# KiCad board Tartarus Liquid Rocketry Control System.kicad_pcb (continued)
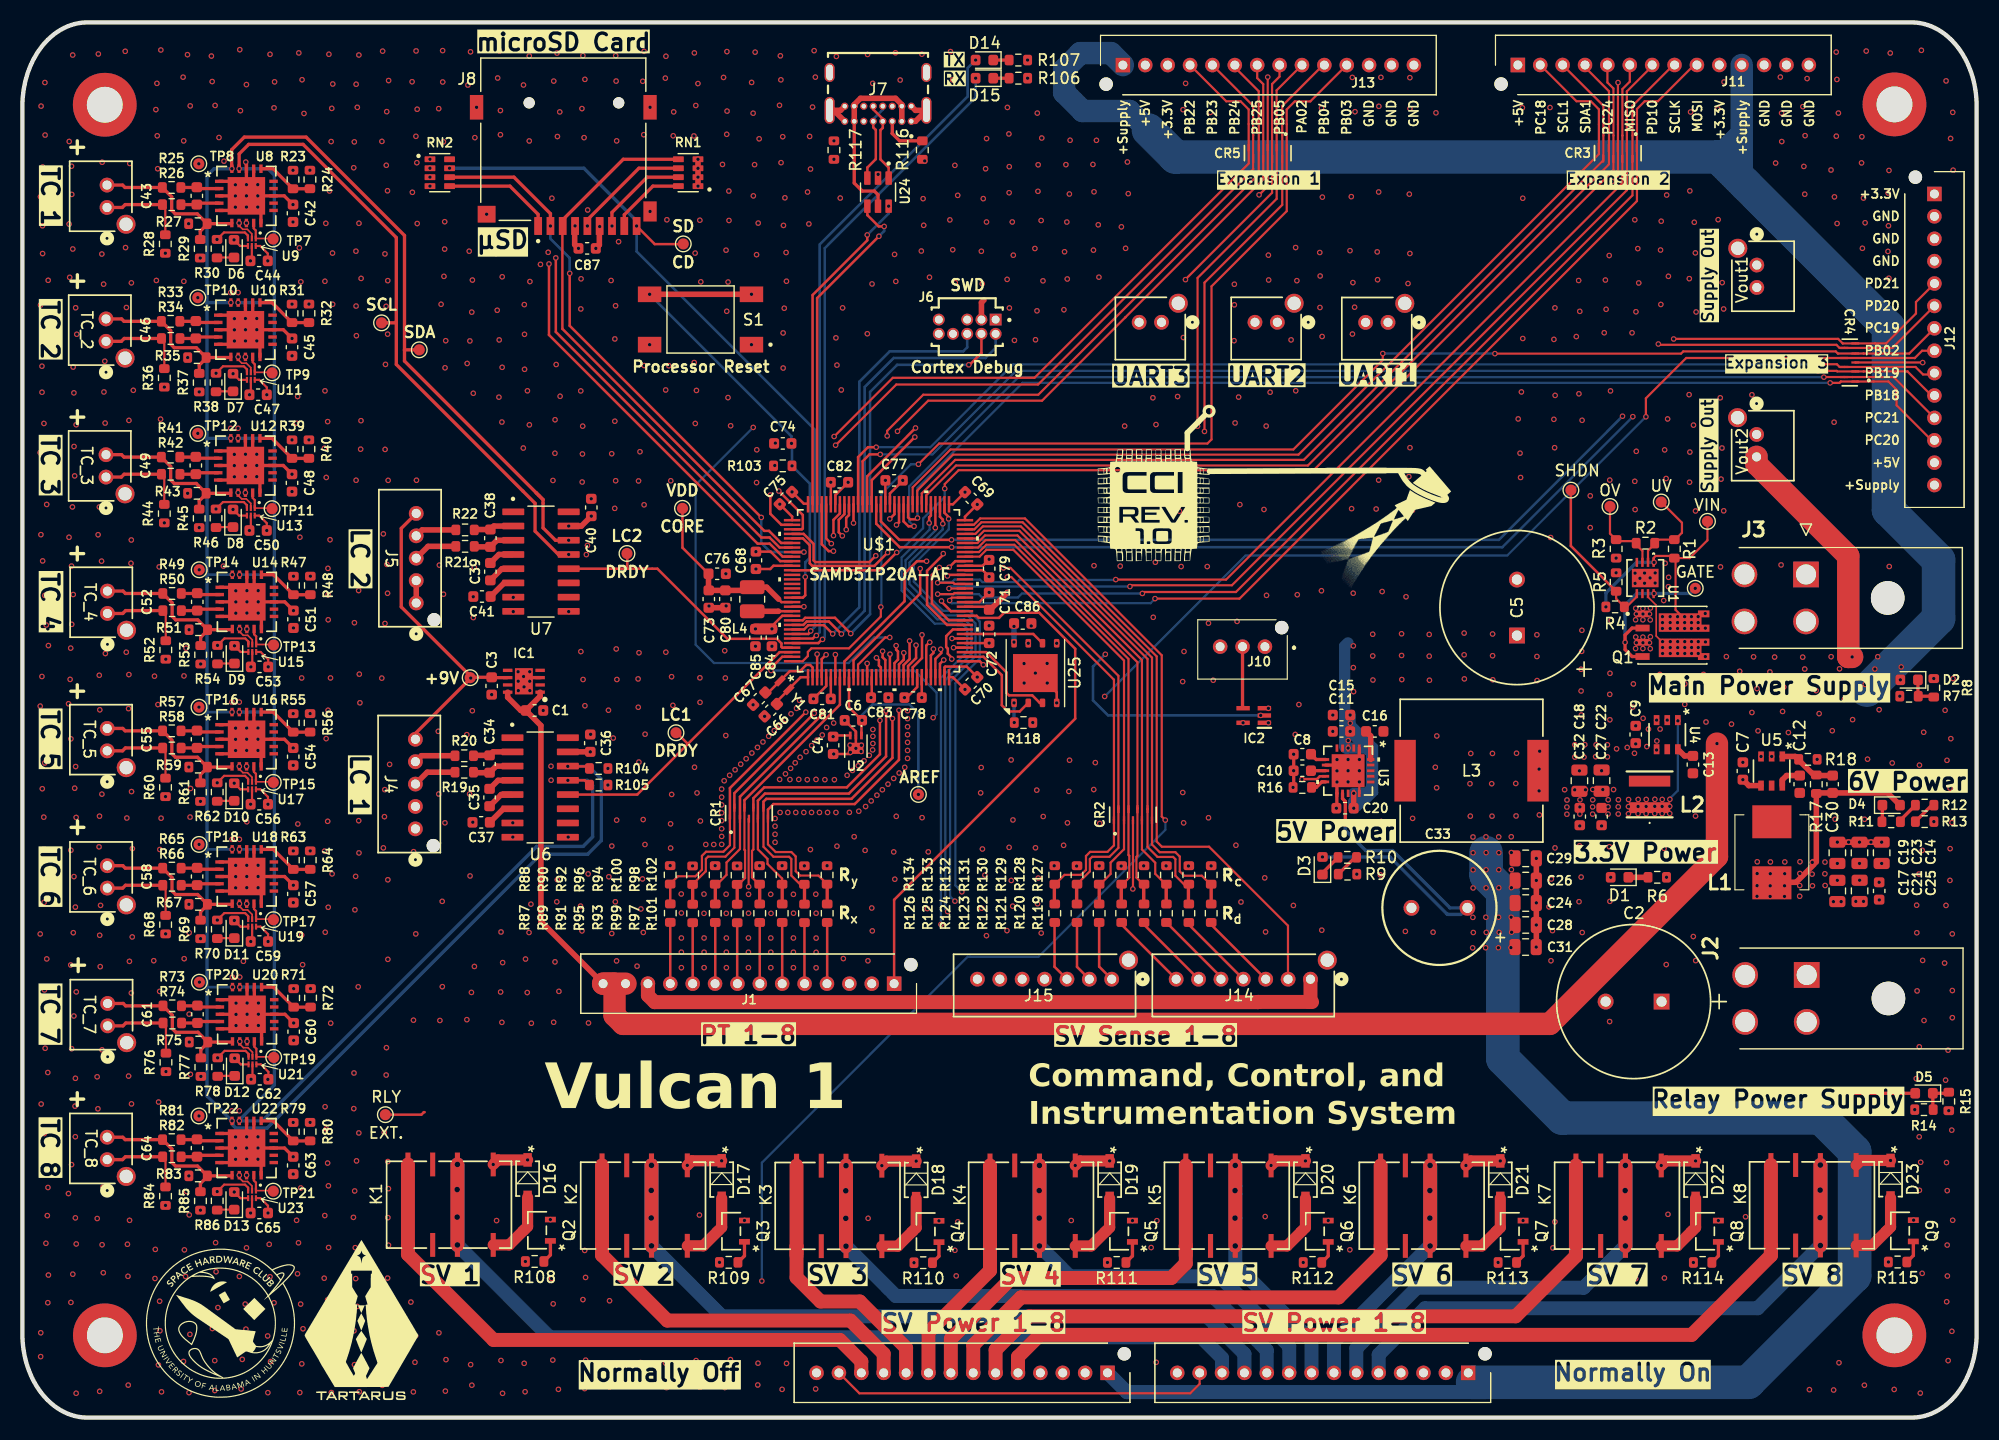
[diagram p0: board, top side]
## Routing (per net, layer and track width the routed paths; a pad name or vN(x,y) marks a point on that pad's centre or on a via; arc(x,y) is an arc through that point) (continued)
v1(159.17,111.75) v1(159.28,114.49) v1(159.25,109.27) v1(159.46,119.59) v1(159.67,2.5) v1(160.36,58.79) v1(161.6,111.43) v1(161.82,46.08) v1(161.91,109.03) v1(161.88,88.9) v1(161.83,2.46) v1(161.96,53.44) v1(162.06,121.96) v1(162.13,119.51) v1(162.08,114.45) v1(162.14,106.65) v1(162.26,116.51) v1(162.31,4.9) v1(162.51,46.08) v1(163.82,46.1) v1(164.15,51.39) v1(164.33,112.06) v1(164.36,114.4) v1(164.4,104.44) v1(164.5,108.92) v1(164.51,46.1) v1(164.59,53.44) v1(164.58,2.89) v1(164.65,106.72) v1(164.75,122.05) v1(164.86,58.81) v1(165.92,46.23) v1(166.7,109.37) v1(166.69,104.16) v1(166.78,111.39) v1(166.74,106.45) v1(166.77,101.76) v1(166.81,76.02) v1(166.89,121.87) v1(167.07,58.47) v1(167.24,2.51) v1(167.75,64.43) v1(169.08,27.51) v1(169.21,30.28) v1(169.25,45.76) v1(169.27,43.3) v1(169.29,38.11) v1(169.5,58.27) v1(169.46,48.55) v1(169.49,33.12) v1(169.48,25.08) v1(169.5,20.3) v1(169.61,22.81) v1(169.58,2.19) v1(169.68,122.11) v1(169.75,50.66) v1(169.79,40.83) v1(169.75,12.88) v1(169.88,61.21) v1(169.91,35.47) v1(170.78,66.01) v1(170.79,53.23) v1(171.79,63.17) v1(171.75,40.6) v1(171.88,119.38) v1(171.87,45.74) v1(171.84,30.14) v1(171.92,22.78) v1(171.96,58.7) v1(171.98,20.27) v1(171.98,15.41) v1(172,12.65) v1(171.93,10.35) v1(172.06,32.82) v1(172.12,27.41) v1(172.07,5.09) v1(172.23,47.98) v1(172.28,114.24) v1(172.3,60.64) v1(172.24,56.21) v1(172.24,50.82) v1(172.41,53.14) v1(172.39,25.67) v1(172.4,7.71) v1(172.48,116.57) v1(172.51,111.41) v1(172.51,66) v1(172.44,43.2) v1(172.44,38.14) v1(172.44,35.72) v1(172.47,17.63)
+Relay_External: length 9.3
  Top w0.23: 35.94,27.28 35.87,27.28 35.65,27.06 TP3.1
  Top w0.3: D5.2 163.44,28.97 163.43,28.96
+Supply: length 419.9
  Top w0.15: U1.7 145.25,73.29 145.98,72.56 145.98,69.81 147.18,68.61 Q1.5_6
  Top w0.5: C1.1 44.54,63.16 43.36,64.33 IC1.8 ; C1.1 46.26,64.43 IC1.1 ; C1.1 46.33,61.81 46.33,44.32 J1.14 ; v1(118.95,55.76) 118.95,54.43 v1(118.96,54.43)
  Top w2: J1.13 J1.14 52.86,38.76 52.91,38.71 52.91,35.93 53.67,35.17 136.48,35.17 151.41,50.1 v1(151.41,60.2) ; Vout2.2 154.95,85.14 163.14,76.95 163.14,67.94 v1(163.49,67.94)
  In3.Cu w1.5: J12.14 170.84,81.11
  In3.Cu w2: Vout2.2 156.41,85.81 157.8,87.19 ; Vout1.2 156.47,99.44 ; 170.84,81.11 170.84,72.95 164.65,66.76 v1(164.65,65.48)
  In3.Cu w3: 157.8,87.19 157.81,87.21 157.81,98.1 156.47,99.44
  Bottom w0.5: v1(118.96,54.43) 119.37,54.43 120.11,55.17 ; 120.11,55.17 120.11,55.76 ; 120.11,55.17 120.25,55.17 120.89,55.81 ; 120.89,55.81 120.89,59.94 118.64,62.19 v1(118.64,62.75) ; 120.89,55.81 120.56,56.14 120.56,56.21
  Bottom w1: v1(118.64,62.75) v1(118.64,61.29) 120.56,59.36 ; 119.72,55.76 v1(118.95,55.76) ; 119.72,55.76 118.96,55 v1(118.96,54.43) ; 119.72,55.76 120.11,55.76 120.56,56.21 120.56,59.36 ; 120.56,59.36 120.12,59.8 v1(118.45,59.8) 118.27,59.8 118.15,59.92 118.15,68.91 118.44,69.2
  Bottom w2: 100.62,114.99 98.91,116.7 94.73,116.7 93.08,118.35 93.08,120.42 94.53,121.87 97.26,121.87 J13.1 ; 153.62,114.68 151.53,112.59 ; 153.62,114.68 J11.11 ; 153.62,114.68 153.62,110.5 153.99,110.13 ; 154.92,85.17 154.92,85.78 Vout2.2 154.95,85.16 163.14,76.97 163.14,67.95 163.49,67.95
  Bottom w3: 164.75,65 164.83,65 171.21,71.38 171.21,76.59 166.74,81.06 166.74,97.38 151.53,112.59 103.02,112.59 100.62,114.99
  vias: v1(118.46,60.47) v1(118.64,62.02) v1(118.92,68.93) v1(118.92,66.99) v1(118.94,64.84) v1(120.65,69.97) v1(120.65,68.03) v1(120.67,65.88) v1(123.23,70.01) v1(123.23,68.07) v1(123.25,65.92) v1(125.7,69.95) v1(125.7,68.01) v1(125.72,65.86) v1(128.82,70.07) v1(128.82,68.13) v1(128.84,65.98) v1(131.36,69.99) v1(131.36,68.05) v1(131.38,65.9) v1(135.32,69.92) v1(135.32,67.98) v1(135.34,65.83) v1(139.32,68.44) v1(139.27,66.84) v1(139.27,64.9) v1(139.29,62.75) v1(139.34,70.32) v1(141.83,64.6) v1(141.85,66.48) v1(141.84,62.33) v1(143.88,63.46) v1(143.94,65.53) v1(144.15,61.79) v1(144.81,62.46) v1(145.29,61.49) v1(146.02,62.3) v1(146.3,66.38) v1(146.31,64.34) v1(146.33,61.5) v1(146.55,69.31) v1(146.55,68.78) v1(146.55,68.25) v1(146.97,62.3) v1(147.24,69.31) v1(147.24,68.78) v1(147.24,68.25) v1(147.9,69.31) v1(147.9,68.78) v1(147.9,68.25) v1(148.53,69.31) v1(148.53,68.78) v1(148.53,68.25) v1(148.53,63.7) v1(148.54,65.53) v1(149.14,69.31) v1(149.14,68.78) v1(149.14,68.25) v1(149.74,69.31) v1(149.74,68.78) v1(149.74,68.25) v1(150.21,66.38) v1(150.38,69.28) v1(150.37,67.97) v1(150.43,62.13) v1(150.54,64.58) v1(152.25,67.97) v1(152.38,64.19) v1(152.71,61.94) v1(153.44,66.66) v1(153.73,58.52) v1(154.53,62.98) v1(154.68,67.95) v1(154.99,65.11) v1(155.08,61.34) v1(155.35,59.05) v1(156.14,66.6) v1(156.3,59.05) v1(156.56,67.93) v1(157.27,63.07) v1(157.38,65.25) v1(157.79,61.19) v1(159.07,67.92) v1(159.25,66.86) v1(160.27,64.93) v1(160.54,62.88) v1(161.61,67.96) v1(161.71,61.35) v1(162.36,66.88) v1(162.79,64.14) v1(163.53,62.34) v1(165.52,66.86) v1(165.78,67.96) v1(165.9,63.23) v1(167.79,65.89) v1(167.87,67.05)
/Microcontroller Page 1 (PA_PB)/A09_PT_5_PB06: length 33.4
  Top w0.2: 65.32,54.45 65.32,50.74 65.19,50.62 65.19,48.25 65.8,47.64 R94.1
  Top w0.23: CR1.7 65.32,55.32 66.28,56.29 73.66,56.29 76.62,59.25 v1(76.62,62.27) ; U$1.17 76.7,67 76.53,67.17 76.53,67.65 v1(76.31,67.87)
  Top w0.3: 65.87,45.88 R93.2 65.88,47.63 R94.1
  In3.Cu w0.23: v1(76.31,67.87) 76.38,67.8 76.38,62.51 v1(76.62,62.27)
/Microcontroller Page 1 (PA_PB)/A10_PT_6_PB07: length 35.1
  Top w0.2: R100.1 67.88,48.14 66.58,49.45 66.58,49.9 65.72,50.76 65.72,53.46
  Top w0.23: CR1.4 65.72,55.1 66.35,55.74 73.85,55.74 77.17,59.06 v1(77.17,63.13) ; v1(76.86,68.45) 76.86,67.91 77.11,67.66 U$1.18
  Top w0.3: R100.1 67.89,47.63 R99.2 67.88,45.88
  In3.Cu w0.23: v1(77.17,63.13) 77.17,63.62 76.86,63.93 v1(76.86,68.45)
/Microcontroller Page 1 (PA_PB)/A11_PT_7_PB08: length 36.4
  Top w0.2: 66.22,54.45 66.22,50.98 67.11,50.09 68.51,50.09 68.71,49.89 68.71,48.41 69.49,47.63 R98.1
  Top w0.23: U$1.19 77.51,68.18 v1(77.52,68.19) ; v1(77.74,62.44) 77.74,58.93 74.08,55.27 66.47,55.27 66.22,55.01 CR1.6
  Top w0.3: R98.1 69.88,47.62 69.88,45.86 69.87,45.87
  In3.Cu w0.23: v1(77.52,68.19) 77.52,65.23 77.89,64.86 77.89,63.68 77.74,63.53 v1(77.74,62.44)
/Microcontroller Page 1 (PA_PB)/A12_PT_8_PB09: length 39.3
  Top w0.2: R102.1 71.13,48.41 69.49,48.41 69.1,48.8 69.1,50.12 68.71,50.51 67.31,50.51 66.62,51.2 66.62,53.46
  Top w0.23: CR1.5 66.62,54.3 67.11,54.8 74.37,54.8 78.32,58.75 v1(78.32,63.18) ; U$1.20 77.92,67.39 78.23,67.7 78.23,68.43 78.07,68.59 v1(78.07,68.95)
  Top w0.3: R102.1 71.91,47.63 R101.2 71.9,45.88
  In3.Cu w0.23: v1(78.07,68.95) 78.07,68.59 78.23,68.43 78.23,63.27 v1(78.32,63.18)
/Microcontroller Page 1 (PA_PB)/D30_RLY_8: length 127.4
  Top w0.23: v1(73.26,78.76) 72.94,79.08 72.94,80.18 73.45,80.69 U$1.88
  In3.Cu w0.2: v1(166.73,13.9) 163.43,13.9 143.49,33.84 126.62,33.84 121.58,38.88 121.58,45.47 92.85,74.2 83.34,74.2 83,74.55 82.51,74.55 81.94,75.12 80.05,75.12 78.75,76.42 75.62,76.42 73.28,78.76 v1(73.26,78.76)
/Microcontroller Page 1 (PA_PB)/D31_RLY_7: length 113.2
  Top w0.23: 72.47,78.7 v1(72.47,78.78) 72.47,80.18 73.04,80.76 U$1.89
  In3.Cu w0.2: v1(72.47,78.78) 75.23,76.02 78.53,76.02 80.5,74.05 81.99,74.05 82.49,73.55 83.14,73.55 83.49,73.2 92.67,73.2 114.38,51.49 114.38,50.65 117.36,47.67 118.2,47.67 120.54,45.33 120.54,38.86 126.17,33.23 133.53,33.23 149.31,17.45 v1(149.31,13.86)
/Microcontroller Page 1 (PA_PB)/D32_RLY_6: length 100.5
  Top w0.23: v1(72.28,78.06) 71.82,78.51 U$1.92
  In3.Cu w0.2: v1(72.28,78.06) 72.55,78.06 75.01,75.6 78.28,75.6 81.92,71.96 91.89,71.96 119.57,44.28 119.57,38.69 129.55,28.71 129.55,16.16 v1(131.86,13.86)
/Microcontroller Page 1 (PA_PB)/D33_RLY_5: length 101.9
  Top w0.23: v1(72.47,77.39) 72.04,77.39 71.42,78.01 U$1.93
  In3.Cu w0.2: v1(114.45,13.86) 114.45,14.33 125.07,24.96 125.07,32.01 118.38,38.7 118.38,43.9 90.94,71.35 81.99,71.35 78.19,75.15 74.8,75.15 72.56,77.39 v1(72.47,77.39)
/Microcontroller Page 1 (PA_PB)/D34_RLY_4: length 86
  Top w0.23: v1(82.76,80.27) 82.81,80.32 82.81,80.39 82.39,80.81 U$1.66
  In3.Cu w0.2: v1(83.94,46.96) 83.93,46.95 83.93,39.09 79.47,34.63 79.47,26.56 89.29,16.74 94.07,16.74 v1(96.95,13.86)
  Bottom w0.2: v1(82.76,80.27) 82.77,80.26 82.77,79.33 79.65,76.21 79.65,74.66 82.25,72.06 84.58,72.06 85.54,71.1 85.54,67.79 83.36,65.61 83.36,47.54 v1(83.94,46.96)
/Microcontroller Page 1 (PA_PB)/D35_RLY_3: length 76.6
  Top w0.23: v1(82.24,79.83) 82.24,80.21 81.98,80.46 U$1.67
  In3.Cu w0.2: v1(79.67,13.84) 78.42,15.08 78.42,34.59 83.32,39.49 v1(83.32,46.13)
  Bottom w0.2: v1(83.32,46.13) 82.89,46.56 82.89,65.74 85.16,68.01 85.16,70.93 84.43,71.66 82.05,71.66 79.26,74.45 79.26,76.36 82.23,79.33 82.23,79.82 v1(82.24,79.83)
/Microcontroller Page 1 (PA_PB)/D36_RLY_2: length 88.5
  Top w0.23: U$1.68 81.58,79.48 v1(81.57,79.48)
  In3.Cu w0.2: v1(62.29,13.87) 63.88,15.46 63.88,31.81 66.46,34.39 77.21,34.39 82.67,39.85 v1(82.67,45.2)
  Bottom w0.2: v1(81.57,79.48) 81.57,79.23 78.91,76.57 78.91,74.13 81.74,71.3 84.17,71.3 84.8,70.67 84.8,68.22 82.46,65.88 82.46,45.41 v1(82.67,45.2)
/Microcontroller Page 1 (PA_PB)/D37_RLY_1: length 95.3
  Top w0.23: v1(81.02,79.91) 81.02,80.42 81.17,80.57 U$1.69
  In3.Cu w0.2: v1(44.95,13.95) 66.11,35.11 76.98,35.11 82.07,40.2 v1(82.07,44.05)
  Bottom w0.2: v1(82.07,44.05) 82.07,66.07 84.42,68.42 84.42,70.45 83.96,70.91 81.52,70.91 78.56,73.87 78.56,76.82 81.06,79.32 81.06,79.87 v1(81.02,79.91)
/Microcontroller Page 1 (PA_PB)/D46_TC_7_FLT_DET_PC06: length 89
  Top w0.2: v1(18.97,32.1) 19.52,31.55 U21.4
  Top w0.23: v1(79.27,69.37) 79.27,67.75 78.73,67.21 U$1.22
  In3.Cu w0.2: v1(18.97,32.1) 19.28,32.1 25.03,37.85 25.03,38.87 29.97,43.82 32.16,43.82 48.27,59.93 48.27,69.98 49.69,71.4 77.5,71.4 79.27,69.63 v1(79.27,69.37)
/Microcontroller Page 1 (PA_PB)/D47_TC_8_FLT_DET_PC07: length 98.7
  Top w0.2: U23.4 19.48,19.6 v1(18.93,20.15)
  Top w0.23: v1(78.75,68.31) 78.75,67.7 78.33,67.27 U$1.21
  In3.Cu w0.2: v1(18.93,20.15) 19.4,20.15 24.96,25.71 24.96,35.91 46.73,57.68 47.44,57.68 48.7,58.94 48.7,69.76 49.89,70.94 77.23,70.94 78.75,69.43 v1(78.75,68.31)
/Microcontroller Page 1 (PA_PB)/D48_TC_5_FLT_DET_PC04: length 75.2
  Top w0.2: U17.4 19.48,56.11 v1(18.93,56.66)
  Top w0.23: U$1.24 79.54,67 80.38,67.84 v1(80.38,69.91)
  In3.Cu w0.2: v1(80.38,69.91) 80.38,70.01 77.39,73 60.65,73 60.17,72.52 47.97,72.52 44.03,68.58 39.18,68.58 27.26,56.66 v1(18.93,56.66)
/Microcontroller Page 1 (PA_PB)/D49_TC_6_FLT_DET_PC05: length 84.4
  Top w0.2: v1(18.94,44.4) 19.49,43.85 U19.4
  Top w0.23: U$1.23 79.14,67.12 79.85,67.84 v1(79.85,68.99)
  In3.Cu w0.2: v1(79.85,68.99) 79.85,69.66 77.67,71.84 49.46,71.84 47.85,70.23 47.85,60.07 32.18,44.4 v1(18.94,44.4)
/Microcontroller Page 1 (PA_PB)/USB Connector/USB_D+: length 29.4
  Top w0.23: v1(75.49,105.63) 75.49,105.15 70.6,100.26 U$1.95
  Bottom w0.23: v1(77.4,108.2) 77.4,107.54 v1(75.49,105.63)
/Microcontroller Page 1 (PA_PB)/USB Connector/USB_D-: length 30
  Top w0.23: U$1.94 71.01,99.99 v1(76.53,105.51) ; U24.4 75.5,107.4 76.51,106.39 v1(77,106.39)
  Bottom w0.23: v1(77,106.39) 77,105.98 v1(76.53,105.51)
/Microcontroller Page 2 (PC_PD)/A1_TC_2_FLT_DET_PA05: length 78.5
  Top w0.2: v1(18.82,93.23) 19.37,92.69 U11.4
  Top w0.23: U$1.29 81.58,67.76 82.1,68.29 82.1,68.57 v1(82.05,68.62)
  In3.Cu w0.2: v1(82.05,68.62) 82.05,70.13 78.06,74.12 47.91,74.12 28.79,93.23 v1(18.82,93.23)
/Microcontroller Page 2 (PC_PD)/A13_TC_1_FLT_DET_PA04: length 84.9
  Top w0.2: U9.4 19.46,104.64 v1(18.91,105.19)
  Top w0.23: v1(82.32,67.67) 81.98,67.33 U$1.30
  In3.Cu w0.2: v1(18.91,105.19) 18.91,103.8 48.19,74.52 78.27,74.52 82.5,70.29 82.5,68.89 82.7,68.69 82.7,68.3 82.32,67.92 v1(82.32,67.67)
/Microcontroller Page 2 (PC_PD)/A14_TC_3_FLT_DET_PA06: length 74
  Top w0.2: v1(18.82,81.11) 19.37,80.56 U13.4
  Top w0.23: v1(81.4,68.65) 81.4,68.3 81.17,68.07 U$1.28
  In3.Cu w0.2: v1(81.4,68.65) 81.57,68.82 81.57,70.01 77.87,73.71 47.61,73.71 39.28,82.04 19.34,82.04 18.82,81.52 v1(18.82,81.11) 18.88,81.17
/Microcontroller Page 2 (PC_PD)/A15_TC_4_FLT_DET_PA07: length 70.8
  Top w0.2: U15.4 19.5,68.38 v1(18.95,68.93)
  Top w0.23: v1(81.07,69.25) 80.94,69.12 80.93,69.12 80.76,68.95 U$1.27
  In3.Cu w0.2: 18.91,68.93 43.87,68.93 47.8,72.87 59.99,72.87 60.48,73.36 77.64,73.36 81.07,69.93 v1(81.07,69.25)
/PT Input 1/PT_Signal_in: length 5.5
  Top w0.23: R87.1 J1.11
/PT Input 2/PT_Signal_in: length 5.4
  Top w0.23: R89.1 J1.10
/PT Input 3/PT_Signal_in: length 5.5
  Top w0.23: R91.1 61.91,38.78
  Top w0.3: 61.91,38.78 J1.9
/PT Input 4/PT_Signal_in: length 5.5
  Top w0.23: R95.1 63.87,38.78
  Top w0.3: 63.87,38.78 J1.8
/PT Input 5/PT_Signal_in: length 5.5
  Top w0.23: R93.1 65.88,38.77
  Top w0.3: 65.88,38.77 J1.7
/PT Input 6/PT_Signal_in: length 5.5
  Top w0.23: R99.1 J1.6
/PT Input 7/PT_Signal_in: length 5.5
  Top w0.23: R97.1 69.88,38.77
  Top w0.3: 69.88,38.77 J1.5
/PT Input 8/PT_Signal_in: length 5.5
  Top w0.23: R101.1 71.91,38.78
  Top w0.3: 71.91,38.78 J1.4
/Relay_1/Relay_NC: length 102.6
  Top w1.25: v2(38.87,22.61) v2(38.87,15.42)
  Bottom w1.25: v2(38.87,22.61) v2(38.87,15.42) ; v2(38.87,22.61) v2(38.87,15.42) ; v2(38.87,22.61) v2(38.87,15.42) ; v2(38.87,15.42) 47.12,7.18 105.33,7.18 107.19,5.32 Relay_Normally_Closed1.12
  vias: v2(38.85,20.37) v2(38.85,17.91)
/Relay_1/Relay_NO: length 53.5
  Top w1.25: Relay_Normally_Open1.12 74.96,5.02 73.04,6.94 42.1,6.94 34.45,14.58 K1.5 K1.4
/Relay_2/Relay_NC: length 87.4
  Top w1.25: v2(56.21,22.53) v2(56.21,15.34)
  Bottom w1.25: v2(56.21,22.53) v2(56.21,15.34) ; v2(56.21,22.53) v2(56.21,15.34) ; v2(56.21,22.53) v2(56.21,15.34) ; v2(56.21,15.34) 62.5,9.05 105.83,9.05 109.19,5.69 Relay_Normally_Closed1.11
  vias: v2(56.19,20.29) v2(56.19,17.83)
/Relay_2/Relay_NO: length 38.5
  Top w1.25: Relay_Normally_Open1.11 76.96,5.7 73.99,8.67 57.63,8.67 51.79,14.5 K2.5 K2.4
/Relay_3/Relay_NC: length 72.2
  Top w1.25: v2(73.59,22.5) v2(73.59,15.31)
  Bottom w1.25: v2(73.59,22.5) v2(73.59,15.31) ; v2(73.59,22.5) v2(73.59,15.31) ; v2(73.59,22.5) v2(73.59,15.31) ; v2(73.59,15.31) 78.04,10.86 106.34,10.86 111.19,6.01 Relay_Normally_Closed1.10
  vias: v2(73.57,20.26) v2(73.57,17.8)
/Relay_3/Relay_NO: length 25.4
  Top w1.25: K3.5 69.17,12.52 71.32,10.37 74.82,10.37 78.96,6.23 Relay_Normally_Open1.10 ; K3.5 K3.4 ; K3.5 69.17,14.47
/Relay_4/Relay_NC: length 57.2
  Top w1.25: v2(90.87,22.52) v2(90.87,15.33)
  Bottom w1.25: v2(90.87,22.52) v2(90.87,15.33) ; v2(90.87,22.52) v2(90.87,15.33) ; v2(90.87,22.52) v2(90.87,15.33) ; v2(90.87,15.33) 93.59,12.62 106.96,12.62 113.19,6.39 Relay_Normally_Closed1.9
  vias: v2(90.85,20.28) v2(90.85,17.82)
/Relay_4/Relay_NO: length 21.6
  Top w1.25: K4.5 86.46,13.13 80.96,7.63 Relay_Normally_Open1.9 ; K4.5 K4.4 ; K4.5 86.46,14.49
/Relay_5/Relay_NC: length 42.9
  Top w1.25: v2(108.37,22.52) v2(108.37,15.33)
  Bottom w1.25: v2(108.37,22.52) v2(108.37,15.33) ; v2(108.37,22.52) v2(108.37,15.33) ; v2(108.37,22.52) v2(108.37,15.33) ; v2(108.37,15.33) 108.37,13.68 115.19,6.86 Relay_Normally_Closed1.8
  vias: v2(108.35,20.28) v2(108.35,17.82)
/Relay_5/Relay_NO: length 36.4
  Top w1.25: K5.5 103.95,13.77 102.65,12.47 88.4,12.47 82.96,7.03 Relay_Normally_Open1.8 ; K5.5 103.95,14.49 ; K5.5 K5.4
/Relay_6/Relay_NC: length 43.6
  Top w1.25: v2(125.78,22.52) v2(125.78,15.33)
  Bottom w1.25: 125.74,15.33 117.19,6.78 Relay_Normally_Closed1.7 ; v2(125.78,22.52) v2(125.78,15.33) ; v2(125.78,22.52) v2(125.78,15.33) ; v2(125.78,22.52) v2(125.78,15.33)
  vias: v2(125.76,20.28) v2(125.76,17.82)
/Relay_6/Relay_NO: length 50.2
  Top w1.25: Relay_Normally_Open1.7 84.96,6.47 89.23,10.74 117.6,10.74 121.36,14.49 K6.5 K6.4
/Relay_7/Relay_NC: length 58.8
  Top w1.25: v2(143.23,22.52) v2(143.23,15.33)
  Bottom w1.25: v2(143.23,22.52) v2(143.23,15.33) ; v2(143.23,22.52) v2(143.23,15.33) ; v2(143.23,22.52) v2(143.23,15.33) ; v2(143.23,15.33) 139.5,11.6 124.59,11.6 119.19,6.2 Relay_Normally_Closed1.6
  vias: v2(143.21,20.28) v2(143.21,17.82)
/Relay_7/Relay_NO: length 66.3
  Top w1.25: K7.5 138.81,14.44 133.42,9.05 89.96,9.05 86.96,6.05 Relay_Normally_Open1.6 ; K7.5 K7.4 ; K7.5 138.81,14.49
/Relay_8/Relay_NC: length 73.9
  Top w1.25: v2(160.65,22.56) v2(160.65,15.37)
  Bottom w1.25: v2(160.65,22.56) v2(160.65,15.37) ; v2(160.65,22.56) v2(160.65,15.37) ; v2(160.65,22.56) v2(160.65,15.37) ; v2(160.65,15.37) 155.05,9.77 125.33,9.77 121.19,5.63 Relay_Normally_Closed1.5
  vias: v2(160.63,20.32) v2(160.63,17.86)
/Relay_8/Relay_NO: length 81.4
  Top w1.25: K8.5 156.23,14.48 149.14,7.39 90.92,7.39 88.96,5.43 Relay_Normally_Open1.5 ; K8.5 156.23,14.53 ; K8.5 K8.4
A0_PA02: length 80.3
  Top w0.2: 114.33,120.8 112.07,118.54 112.07,115.5 ; 112.07,115.54 112.07,108.86 105,101.79 v1(105,88.55)
  Top w0.23: v1(80.79,76.49) 79.93,76.49 78.82,75.38 78.82,72.91 73.45,67.54 U$1.9
  In3.Cu w0.23: v1(80.79,76.49) 80.79,77.52 84.32,81.04 98.27,81.04 105,87.78 v1(105,88.55)
A2_PB03: length 91.6
  Top w0.2: v1(76.7,72.4) 76.7,71.55 73.86,68.71 70.5,68.71 70.18,68.39 70.18,68.02 69.71,67.55 U$1.128 ; 112.97,115.5 112.97,116.83 113.69,117.55 115.08,117.55 118.33,120.8 ; v1(80.06,85.15) 81.91,87 105.88,87 106.25,87.37 106.25,101.04 112.97,107.76 112.97,115.54
  Bottom w0.2: v1(76.7,72.4) 76.75,72.45 76.75,82.51 79.39,85.15 v1(80.06,85.15) 80.07,85.15
A03_PT_1_PC00: length 31.6
  Top w0.2: R88.1 58.58,48.35 60.13,48.35 60.72,48.93 60.72,50.17 61.09,50.54 62.64,50.54 63.22,51.12 63.22,53.46
  Top w0.23: R87.2 57.89,47.64 R88.1 ; v1(71.01,68.19) U$1.3 ; CR1.1 63.21,56.22 v1(70,63.01)
  In3.Cu w0.23: v1(70,63.01) 70,67.18 v1(71.01,68.19)
A04_PT_2_PC01: length 30.3
  Top w0.2: R90.1 61.06,48.8 61.07,48.8 61.07,49.9 61.27,50.1 62.82,50.1 63.62,50.9 63.62,54.45
  Top w0.23: v1(70.75,62.91) 63.62,55.77 CR1.9 ; v1(71.81,68.14) 71.42,67.74 U$1.4
  Top w0.3: 59.88,45.86 R89.2 59.89,47.61 R90.1
  In3.Cu w0.23: v1(71.81,68.14) 71.24,67.57 71.24,63.4 v1(70.75,62.91)
A05_PT_3_PC02: length 28.8
  Top w0.2: R92.1 62.09,47.64 62.92,48.47 62.92,49.58 64.12,50.78 64.12,53.46
  Top w0.23: U$1.7 72.64,66.13 v1(72.64,68.15) ; CR1.2 64.12,55.45 v1(71.58,62.92)
  Top w0.3: 61.9,45.88 R91.2 61.91,47.63 R92.1
  In3.Cu w0.23: v1(71.58,62.92) 71.63,62.97 71.63,67.14 v1(72.64,68.15)
A06_PT_4_PC03: length 24.2
  Top w0.2: 64.52,54.45 64.52,50.71 64.57,50.66 64.57,48.2 64,47.62 R96.1
  Top w0.23: CR1.8 64.52,55.14 73.04,63.67 U$1.8
  Top w0.3: 63.86,45.86 R95.2 63.87,47.61 R96.1
A7_PB04: length 81
  Top w0.2: v1(105.62,88.08) 105.62,101.37 112.57,108.32 112.57,114.55 ; 116.33,120.8 116.22,120.8 112.57,117.15 112.57,114.51
  Top w0.23: U$1.11 74.26,67.64 80.22,73.6 v1(80.22,75.83)
  In3.Cu w0.23: v1(105.62,88.08) 105.62,87.33 98.66,80.37 84.26,80.37 81.41,77.52 81.41,76.38 80.86,75.83 v1(80.22,75.83)
A8_PB05: length 112.2
  Top w0.2: U$1.12 74.67,67.25 77.09,69.68 v1(77.5,69.68) ; v1(103.92,101.64) 104.03,101.75 104.03,101.77 111.66,109.4 111.66,119.11 112.33,119.77 112.33,120.8
  In3.Cu w0.2: v1(103.92,101.64) 103.9,101.64 103.44,101.18 99.82,101.18 91.22,92.58 69.44,92.58 v1(65.3,88.44)
  Bottom w0.2: v1(77.5,69.68) 76.11,69.68 73.83,67.4 61.79,67.4 60.16,69.03 60.16,83.3 v1(65.3,88.44)
AREF: length 19.2
  Top w0.23: U$1.10 73.86,63.44 v1(75.02,62.27) 74.97,62.22 U2.1
  Bottom w0.23: v1(80.06,55.66) 80.06,62.9 79.26,63.69 75.96,63.69 75.02,62.75 v1(75.02,62.27)
D0_PB25: length 74.9
  Top w0.2: v1(78.19,88.09) 80.93,90.83 91.11,90.83 98.55,98.27 110.87,110.59 110.87,119.1 110.33,119.64 J13.7
  Top w0.23: U$1.101 69.74,78.52 70.35,77.91 70.35,76.3 70.58,76.07 76.12,76.07 v1(77.31,77.26)
  In3.Cu w0.23: v1(77.31,77.26) 76.98,77.58 76.98,82.54 77.9,83.46 77.9,87.8 v1(78.19,88.09)
D1_PB24: length 74.6
  Top w0.2: 110.47,115.5 110.47,118.46 108.33,120.6 108.33,120.8 ; 110.47,115.54 110.47,111.06 90.77,91.36 80.49,91.36 77.27,88.14 v1(77.27,87.68)
  Top w0.23: v1(76.25,76.98) 75.68,76.41 70.85,76.41 70.69,76.57 70.69,78.04 69.8,78.93 U$1.100
  In3.Cu w0.23: v1(76.25,76.98) 76.25,84.14 77.27,85.16 v1(77.27,87.68)
D2_PC18: length 85.5
  Top w0.2: J11.2 138.86,117.57 140.14,117.57 140.86,116.85 140.86,112.85 114.02,86.01 83.16,86.01 79.95,82.8 U$1.72
D3_PC19: length 99.2
  Top w0.2: U$1.73 79.54,83.08 82.93,86.47 113.56,86.47 121.55,94.46 v1(121.55,95.04) ; v1(131.57,95.03) 148.2,95.03 148.4,95.23 162.02,95.23 162.21,95.04 CR4.4 164.51,95.04 168.59,95.04 J12.7
  Bottom w0.23: v1(131.57,95.03) 131.56,95.04 v1(121.55,95.04)
D4_PC20: length 102.4
  Top w0.2: 163.92,92.54 165.41,92.54 166.73,92.54 167.46,91.81 167.46,90.42 170.71,87.17 ; CR4.1 162.48,92.54 162.36,92.42 v1(161.52,92.42)
  Top w0.23: v1(79.98,80.35) 79.86,80.23 79.32,80.23 79.14,80.41 U$1.74
  Bottom w0.2: v1(161.52,92.42) 89.36,92.42 79.98,83.04 v1(79.98,80.35)
D5_PC21: length 103.6
  Top w0.2: v1(160.96,92.93) 160.97,92.94 CR4.9 163.52,92.94 164.54,92.94 ; 164.56,92.94 167.19,92.94 J12.11 ; 170.71,89.17 170.71,89.28
  Top w0.23: U$1.75 78.73,80.05 79.17,79.61 v1(79.67,79.61)
  Bottom w0.2: v1(160.96,92.93) 89,92.93 79.23,83.16 79.23,80.05 v1(79.67,79.61)
D6_PD20: length 107.2
  Top w0.2: J12.6 167.09,95.54 CR4.6 162.36,95.54 162.08,95.82 146.24,95.82 v1(146.17,95.89)
  Top w0.23: v1(83.02,78.4) 78.35,78.4 76.7,80.05 U$1.80
  In3.Cu w0.23: v1(142.97,89.44) 146.17,92.64 v1(146.17,95.89)
  Bottom w0.23: v1(142.97,89.44) 131.93,78.4 v1(83.02,78.4)
D7_PD21: length 109.8
  Top w0.2: J12.5 169.19,99.64 169.19,98.61 166.52,95.94 165.55,95.94 CR4.5 162.65,95.94 162.24,96.35 147.55,96.35 v1(147.54,96.34)
  Top w0.23: U$1.81 76.29,79.83 78.39,77.73 v1(83.03,77.73)
  In3.Cu w0.23: v1(143.89,89.4) 147.54,93.05 v1(147.54,96.34)
  Bottom w0.23: v1(143.89,89.4) 132.23,77.73 v1(83.03,77.73)
D8_PB18: length 103.8
  Top w0.2: v1(160.44,93.49) 162.11,93.49 162.16,93.44 CR4.2 164.51,93.44 168.44,93.44 168.44,93.44 170.71,91.17
  Top w0.23: U$1.84 75.07,85.41 75.69,86.03 v1(76.65,86.03)
  Bottom w0.2: v1(160.44,93.49) 88.78,93.49 81.32,86.03 v1(76.65,86.03)
D9_PB02: length 127
  Top w0.2: v1(145.06,89.39) 145.06,91.04 148.66,94.64 CR4.7 169.07,94.64 169.08,94.63 169.74,95.29 J12.8
  Top w0.23: v1(66.89,66.73) 66.89,66.95 67.9,67.96 U$1.127
  In3.Cu w0.2: v1(81.38,62.52) 83.15,60.75 94.88,60.75 96.7,62.57 v1(96.7,64.41)
  Bottom w0.2: v1(81.38,62.52) 81.68,62.82 81.68,64.75 79.7,66.73 v1(66.89,66.73) ; v1(145.06,89.39) 132.67,77 109.29,77 v1(96.7,64.41)
D10_PB22: length 71.5
  Top w0.2: v1(72.53,87.63) 77.77,92.87 90.43,92.87 109.57,112.01 109.57,115.54 ; 104.33,120.8 107.57,117.56 108.85,117.56 109.57,116.84 109.57,115.5
  Top w0.23: v1(66.83,82.4) 66.83,80.72 67.81,79.74 U$1.98
  In3.Cu w0.23: v1(72.53,87.63) 68.95,84.05 67.23,84.05 66.83,83.65 v1(66.83,82.4)
D11_PB23: length 70.7
  Top w0.2: 109.97,114.51 109.97,117.16 106.33,120.8 ; 109.97,114.55 109.97,111.49 90.75,92.27 78.08,92.27 v1(72.66,86.85)
  Top w0.23: U$1.99 69.65,79.33 69.73,79.41 69.73,80.62 v1(67.59,82.76)
  In3.Cu w0.23: v1(67.59,82.76) 67.59,83.26 67.82,83.49 69.34,83.49 72.66,86.81 v1(72.66,86.85)
D12_LC_1_DRDY_PB01: length 26.8
  Top w0.23: U6.12 54.94,55.65 59.42,60.12 ; U$1.126 67.66,68.36 59.42,60.12 ; 58.43,61.2 59.42,60.21 59.42,60.12
D13_LC_2_DRDY__PB00: length 24.4
  Top w0.23: 54.05,77.15 54.05,75.82 ; U7.12 56.74,75.82 63,69.56 67.41,69.56 67.82,69.14 67.82,68.84 67.9,68.77 U$1.125
D23_RLY_LEDS_CTRL_PA15: length 143
  Top w0.2: Relay_Normally_Closed1.13 105.19,3.01 104.34,2.17 74.79,2.17 Relay_Normally_Open1.13 ; U$1.63 85.02,79.74 85.58,80.31 89.58,80.31 101.8,68.09 101.8,53.69 v1(102.12,53.37)
  In3.Cu w0.2: v1(66.07,12.2) 72.96,5.31 Relay_Normally_Open1.13
  Bottom w0.2: v1(102.12,53.37) 102.12,52.49 90.78,41.16 84.46,41.16 66.07,22.77 v1(66.07,12.2) 66.07,12.11
